# Altium PCB FPGA_SHIELD_MARK1_RA1_2.PcbDoc (part 3 of 4) (continued)
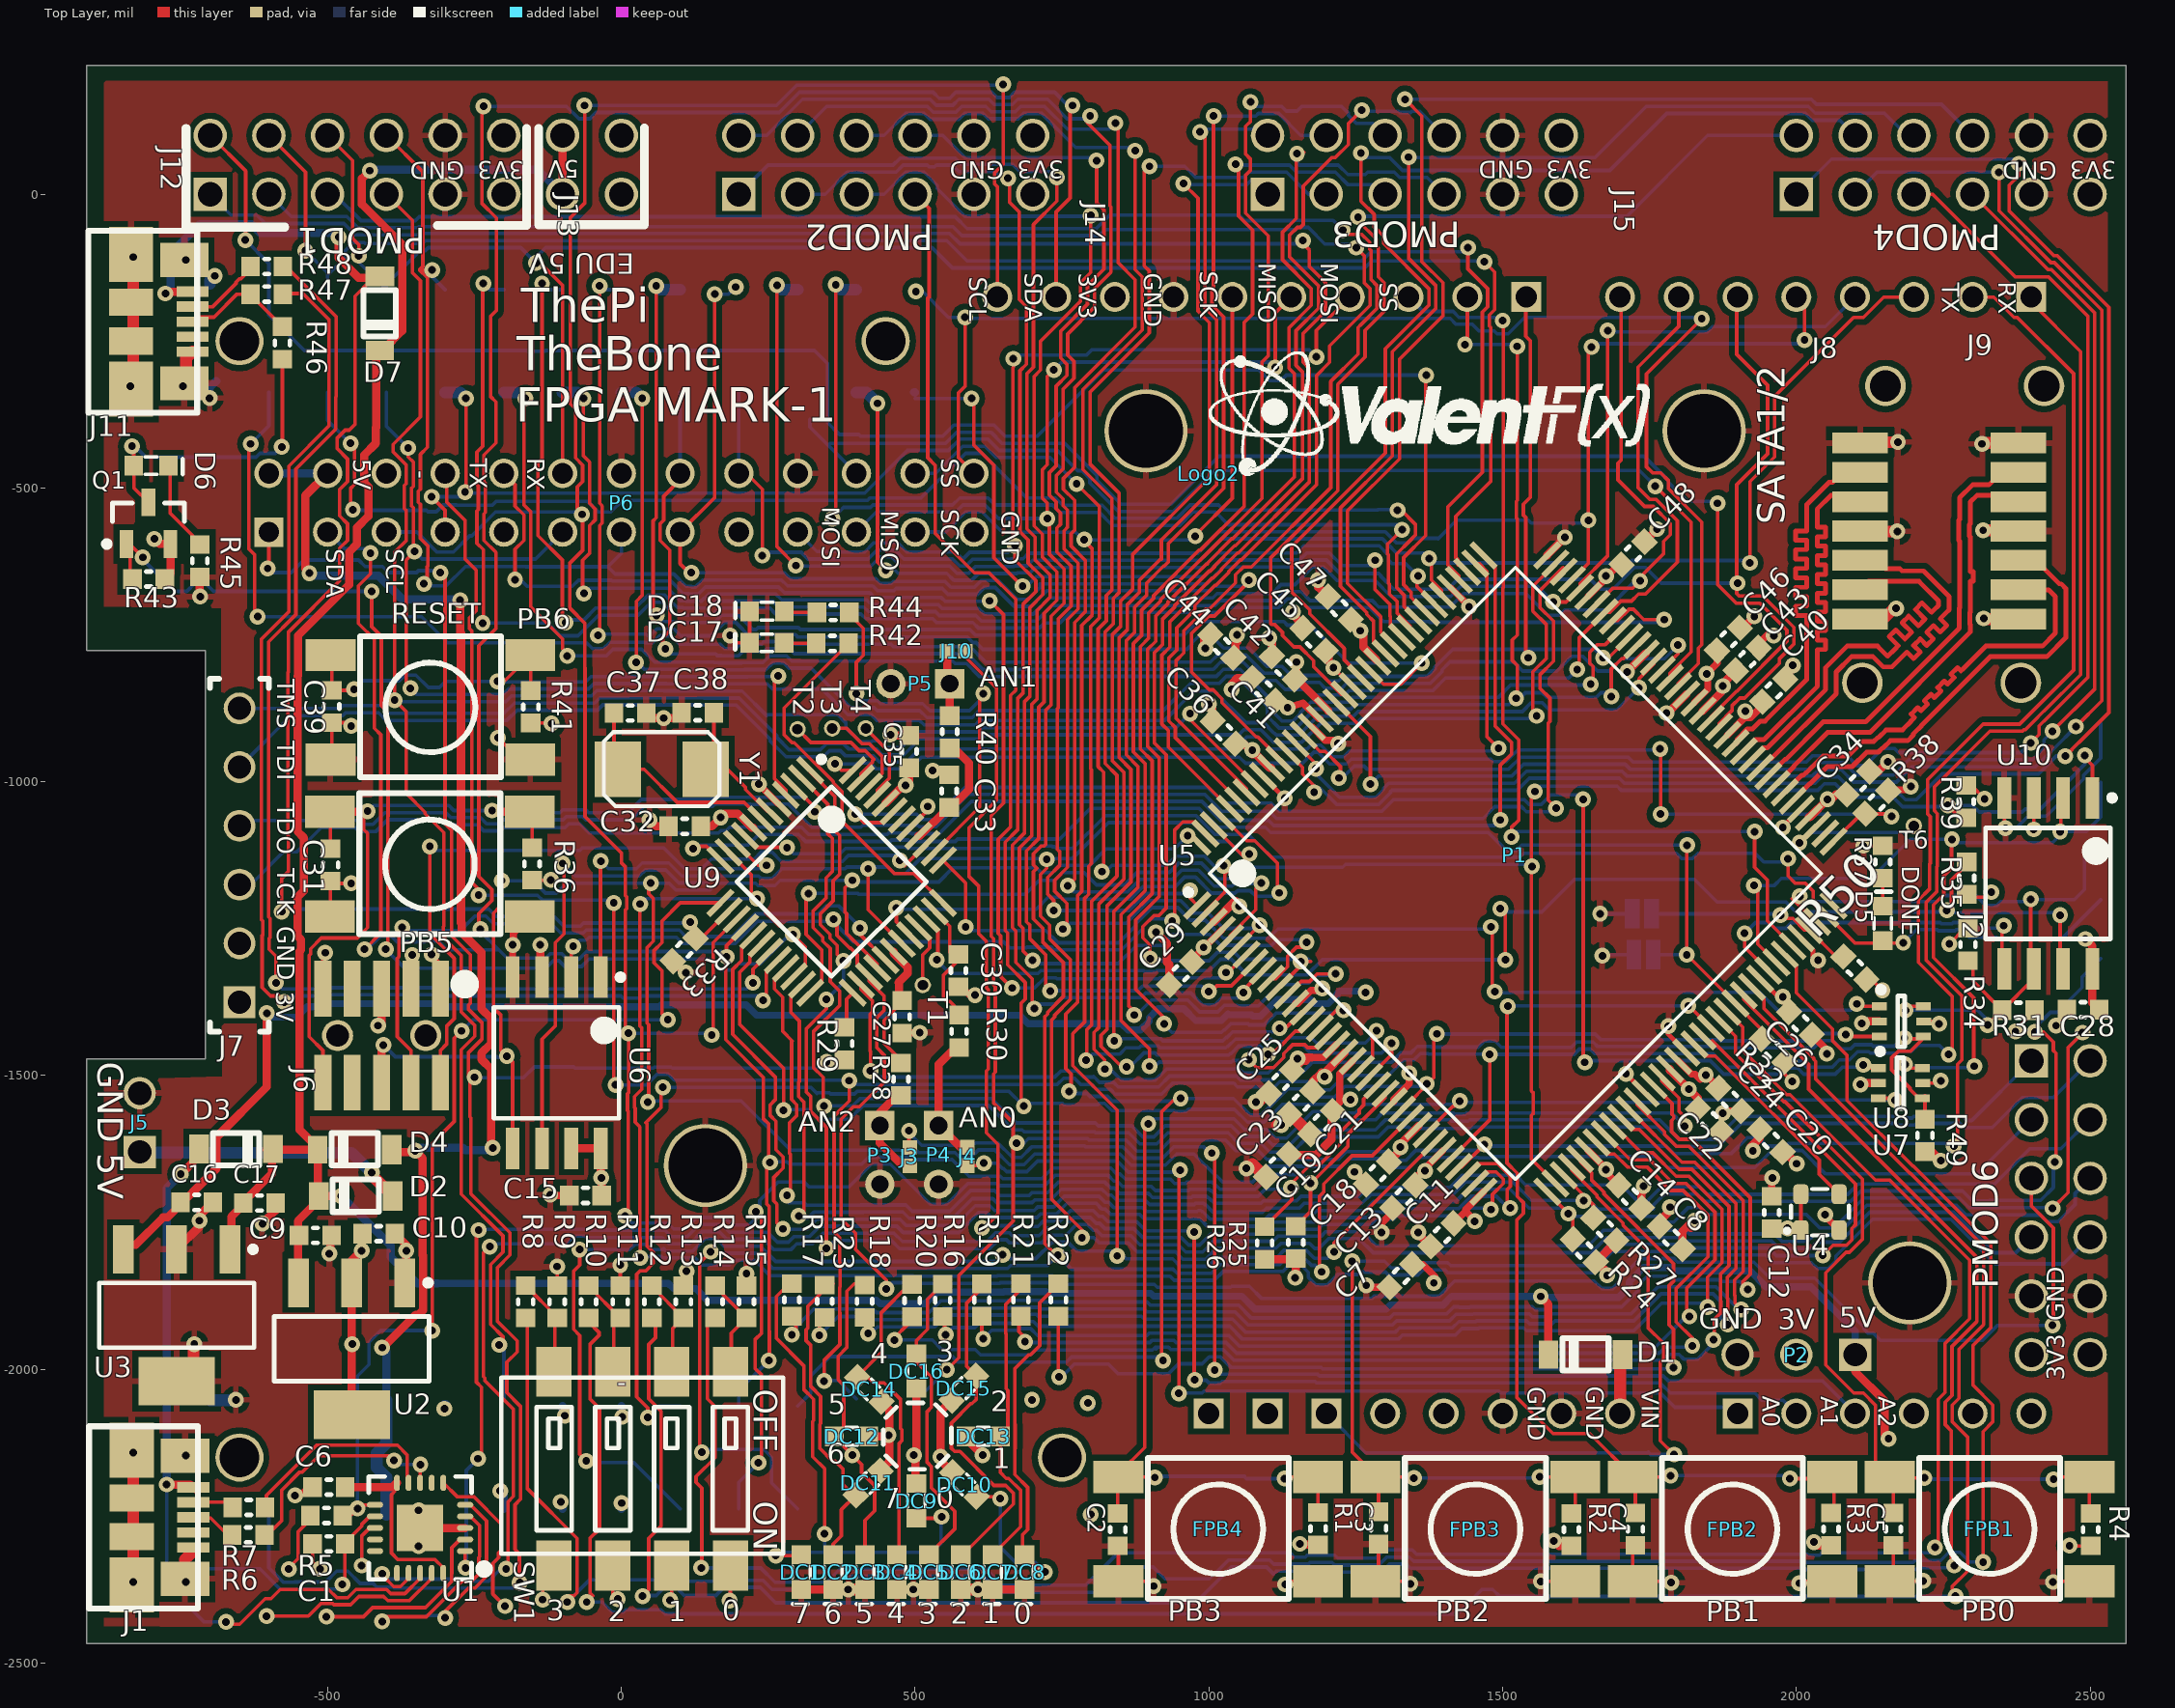
[diagram p0: Top Layer view]
## Nets (pads, with @x,y where several pads share a name; then routed paths per layer and width w, separated by ;. In a path a pad name is that pad's centre, name@x,y a point inside that pad or via, vN(x,y) a via of type N, cw(c..) or ccw(c..) an arc to the next point about the centre after c; other vN are vias at no path point) (continued)
  Bottom Layer w6: v1(537,-1303) 534,-1300 532.94,-1300 559.44,-1326.5 709.32,-1326.5 714.32,-1321.5 888.68,-1321.5 890.68,-1323.5 909.32,-1323.5 911.32,-1321.5 1000.36,-1321.5 1019.68,-1302.18 1038.32,-1302.18 1064.64,-1328.5 1167.47,-1328.5 1192.97,-1303 v1(1504.74,-1303) ; v1(1496,-1216) 1501.5,-1221.5 1567.01,-1221.5 1622.51,-1166 1826.84,-1166 1865.34,-1204.5 1982.32,-1204.5 1999.32,-1221.5 2250.5,-1221.5 v1@2256,-1216 ; v1(2256,-1219) 2259.5,-1222.5 2444.5,-1222.5 v1(2449,-1227)
NetR42_1: R42.1 U9.36 | length 620.5
  Top Layer w6: R42.1@387.02,-764.53 277,-874.54 277,-920.11 290.47,-933.58 294.45,-933.58 360.73,-999.87 360.73,-1001.66 375.5,-1016.43 375.5,-1067.01 464.68,-1156.19 497.36,-1156.19 U9.36@547.2,-1206.03
NetR49_2: R49.2 U7.4 U8.4 U9.26 | length 2263.3
  Top Layer w6: U9.26@408.01,-1345.22 408.01,-1353.37 427.45,-1372.81 427.45,-1391.77 423.06,-1396.16 423.06,-1458 424.02,-1458.97 v1@424.02,-1502.59 ; v1@424,-1502.57 v1(424,-1492) ; v1(2184,-1436) 2185.59,-1437.59 2215.35,-1437.59 2194.44,-1458.5 2173.68,-1458.5 2162.39,-1469.79 2162.39,-1490.21 2193.59,-1521.41 2193.59,-1523.62 2208.56,-1538.59 U7.4@2214.4,-1538.59 ; R49.2@2219,-1567.67 U7.4@2219,-1534.19
  Bottom Layer w6: v1@424.02,-1502.59 737.62,-1502.59 747.71,-1492.5 776.29,-1492.5 786.38,-1502.59 802.55,-1502.59 803.66,-1501.48 813.68,-1511.5 837.71,-1511.5 845.71,-1519.5 914.73,-1519.5 933.23,-1501 1047.21,-1501 1053.71,-1507.5 1106.93,-1507.5 1120.93,-1493.5 1160.32,-1493.5 1173.5,-1480.32 1173.5,-1478.32 1174.09,-1477.73 1310.48,-1477.73 1326.71,-1461.5 1344,-1461.5 1355,-1450.5 1377.65,-1450.5 1378.65,-1451.5 1458.68,-1451.5 1468.68,-1441.5 1487.32,-1441.5 1497.82,-1452 1616.66,-1452 1625.71,-1442.95 1654.29,-1442.95 1661.95,-1450.61 1863.37,-1450.61 1865.76,-1453 2030.15,-1453 2042.65,-1440.5 2062.57,-1440.5 2076.54,-1454.46 2092.62,-1454.46 2099.58,-1447.5 2128.29,-1447.5 2130.79,-1450 2167.21,-1450 2181.21,-1436 v1(2184,-1436) ; v1@424,-1502.57 v1(424,-1492)
NetT1_1: T1.1 U9.33 | length 111.2
  Top Layer w6: U9.33@505.45,-1247.78 524.89,-1267.22 524.89,-1282.83 513,-1294.72 T1.1@513,-1346
NetT2_1: T2.1 U9.47 | length 192.7
  Top Layer w6: T2.1@300,-910.58 322.6,-933.19 390.69,-933.19 404.68,-947.17 415.22,-947.17 427.45,-959.4 427.45,-959.72 429.73,-962 427.45,-964.28 427.45,-966.86 408.01,-986.3 U9.47@408.01,-994.45
NetT3_1: T3.1 U9.46 | length 165.4
  Top Layer w6: T3.1@359,-909 383.47,-909 409.65,-935.17 422.17,-935.17 444,-957 444,-986.3 U9.46@421.93,-1008.37
NetT4_1: T4.1 U9.45 | length 138.2
  Top Layer w6: T4.1@416,-909 416,-909.51 456,-949.51 456,-993.99 435.85,-1014.14 U9.45@435.85,-1022.29
NetT6_1: T6.1 U5.75 | length 249.3
  Top Layer w6: v1(2005.34,-1103.81) 2035.27,-1073.88 U5.75@2035.63,-1073.88
  Bottom Layer w6: v1(2005.34,-1103.81) 2022.65,-1086.5 2188.5,-1086.5 T6.1@2200,-1075
NetU5_64: U5.64 U10.5 | length 587.8
  Top Layer w6: v1(1912,-1258) 1912,-1281.53 U5.64@1952.11,-1321.64 ; U10.5@2350,-1288.32 v1@2350,-1245
  Bottom Layer w6: v1(1912,-1258) 1930.5,-1239.5 1953.68,-1239.5 1963.68,-1249.5 1982.32,-1249.5 1992.32,-1239.5 2244.68,-1239.5 2246.68,-1241.5 2265.32,-1241.5 2267.32,-1239.5 2286.29,-1239.5 2295.87,-1249.08 2348.92,-1249.08 v1(2353,-1245)
OSC_FPGA: U4.3 U5.55 | length 366.1
  Top Layer w6: U5.55@1826.84,-1446.92 1846.92,-1467 1862.01,-1467 1960.51,-1565.5 1961.14,-1565.5 2039,-1643.36 2039,-1668.23 U4.3@2072.75,-1701.98
PB0: C5.1 FPB1.B R4.2 U5.58 | length 1444.7
  Top Layer w6: U5.58@1868.59,-1405.16 1896.68,-1433.24 1896.68,-1462.47 1978.71,-1544.5 1980.72,-1544.5 2112.56,-1676.34 2112.56,-1778.67 2090.49,-1800.73 2084.82,-1800.73 2050.01,-1835.54 2050.01,-1992.74 2097.77,-2040.5 2114.29,-2040.5 2134.5,-2060.71 2134.5,-2158.5 FPB1.B@2159,-2183 ; C5.1@2158,-2245.44 2165,-2238.44 FPB1.B@2165,-2189 ; v1(2218,-2184.67) FPB1.B@2160.67,-2184.67 ; v1(2438,-2187) 2442,-2183 FPB1.B@2499,-2183 2499,-2243.44 R4.2@2501,-2245.44 ; FPB1.B@2159,-2183 FPB1.B@2165,-2189 ; FPB1.B@2159,-2183 FPB1.B@2160.67,-2184.67 ; FPB1.B@2160.67,-2184.67 FPB1.B@2165,-2189
  Bottom Layer w6: v1(2218,-2184.67) 2220.33,-2187 v1(2438,-2187)
PB1: C4.1 FPB2.B R3.2 U5.57 | length 1774
  Top Layer w6: v1(1509,-1382) 1507.5,-1383.5 1507.5,-1648.82 1525.07,-1666.4 1525.07,-1705.74 1535.5,-1716.17 1535.5,-1734.81 1524.03,-1746.28 1524.03,-2047.82 1585.71,-2109.5 1648.5,-2109.5 1722,-2183 1784,-2183 v1(1786,-2181) ; FPB2.B@1714,-2179 1726,-2191 C4.1@1726,-2244.44 ; v1(1816,-1381.51) 1817.11,-1381.51 U5.57@1854.67,-1419.08 ; v1(1989,-2186) 2047.67,-2186 FPB2.B@2049,-2184.67 ; R3.2@2049,-2245.44 2064,-2230.44 2064,-2196.33 FPB2.B@2050.67,-2183
  Bottom Layer w6: v1(1509,-1382) 1509.49,-1381.51 v1(1816,-1381.51) ; v1(1786,-2181) 1989,-2181 v1@1991,-2183
PB2: C3.1 FPB3.B R2.2 U5.56 | length 2175.8
  Top Layer w6: v1(1244,-1816) 1244,-2141 FPB3.B@1286,-2183 ; C3.1@1289,-2242.44 FPB3.B@1289,-2194 ; FPB3.B@1289,-2186 FPB3.B@1286,-2183 ; v1(1349,-2185) 1347,-2183 FPB3.B@1286,-2183 ; v1(1563,-2183) FPB3.B@1620,-2183 ; R2.2@1616,-2245 1623.67,-2237.33 FPB3.B@1623.67,-2183 ; 1856.91,-1441 2100.56,-1684.65 2100.56,-1753.99 2094.54,-1760.01 2094.54,-1779.71 2085.52,-1788.73 2062.27,-1788.73 v1(2045.01,-1805.99) v1@2045.01,-1804.99
  Bottom Layer w6: v1(1244,-1816) 1299.24,-1816 1310.74,-1827.5 1350.71,-1827.5 1359.71,-1818.5 1406.51,-1818.5 1411.51,-1823.5 1645.71,-1823.5 1681.71,-1787.5 1801.74,-1787.5 1807.74,-1793.5 1952.74,-1793.5 1965.74,-1806.5 v1@2045.01,-1806.5 ; v1(1349,-2185) 1561,-2185 v1(1563,-2183)
PB3: C2.1 FPB4.B R1.2 U5.51 | length 2150.3
  Top Layer w6: FPB4.B@843,-2191 845,-2193 C2.1@845,-2245.44 ; FPB4.B@846,-2183 v1@906,-2183 ; FPB4.B@847,-2177 891,-2133 v1@891,-1581 ; v1@891,-1582 v1@891,-1581 ; v1@891.5,-1580.5 v1@891,-1581 ; v1(1129,-2186) 1132,-2183 FPB4.B@1186,-2183 ; FPB4.B@1185,-2172 1186,-2173 FPB4.B@1186,-2183 ; R1.2@1186,-2243.44 FPB4.B@1186,-2183 ; U5.51@1771.16,-1502.59 1771.16,-1509.07 1800.55,-1538.46 1800.55,-1560.94 1810,-1570.39 v1(1810,-1586)
  Bottom Layer w6: v1@897,-1573.5 1042.74,-1573.5 1060.74,-1591.5 1098.68,-1591.5 1113.68,-1606.5 1132.32,-1606.5 1177.32,-1561.5 1212.71,-1561.5 1226.71,-1575.5 1283.47,-1575.5 1295.47,-1563.5 1415.37,-1563.5 1417.68,-1565.81 1436.32,-1565.81 1438.63,-1563.5 1787.5,-1563.5 v1(1810,-1586) ; v1@908,-2182 1061,-2182 ; 1061,-2183 1064,-2186 v1(1129,-2186)
  other v1: 908,-2184 897,-1582
PMOD1_1: J12.1 U5.140 | length 3059.2
  Top Layer w6: U5.140@1036.21,-1046.04 931,-940.82 931,-912.76 920,-901.76 920,-784.26 933.5,-770.76 933.5,-727.84 964.45,-696.88 964.45,-694.39 1005.35,-653.5 1007.2,-653.5 1021.5,-639.2 1021.5,-637.74 1048.74,-610.5 1050.2,-610.5 1171.23,-489.47 1171.23,-297.05 1160.5,-286.32 1160.5,-237.23 1198.5,-199.23 1198.5,-150.77 1171.23,-123.5 1171.23,-95.23 1160,-84 v1(1160,-79)
  Bottom Layer w6: J12.1@-700,0 -664.5,-35.5 -620.87,-35.5 -606.37,-50 -472.18,-50 -453.18,-69 -340.67,-69 -338.67,-67 558.97,-67 576.47,-84.5 1159.5,-84.5 1160,-84 v1(1160,-79)
PMOD1_2: J12.2 U5.139 | length 3045.5
  Top Layer w6: U5.139@1050.13,-1032.12 943,-924.99 943,-907.79 932,-896.79 932,-789.23 945.5,-775.73 945.5,-738.19 976.45,-707.24 976.45,-699.36 1010.32,-665.5 1012.17,-665.5 1033.5,-644.17 1033.5,-642.71 1053.71,-622.5 1055.17,-622.5 1183.23,-494.44 1183.23,-308.59 1205.5,-286.32 1205.5,-258.29 1274.5,-189.29 1274.5,-160.71 1264.4,-150.6 1264.4,-104.4 v1(1251,-91)
  Bottom Layer w6: J12.2@-600,0 -562,-38 -467.21,-38 -448.21,-57 -345.64,-57 -343.64,-55 563.94,-55 579.44,-70.5 813.29,-70.5 823.79,-60 1147.18,-60 1150.68,-56.5 1169.32,-56.5 1197.49,-84.67 1244.67,-84.67 v1(1251,-91)
PMOD1_3: J12.3 U5.138 | length 2977.5
  Top Layer w6: U5.138@1064.05,-1018.2 1064.05,-1011.87 944,-891.82 944,-794.2 957.5,-780.7 957.5,-743.17 994.74,-705.92 1001.08,-705.92 1045.5,-661.5 1045.5,-647.68 1058.68,-634.5 1072.5,-634.5 1207.5,-499.5 1207.5,-318.71 1254,-272.21 1254,-227.06 1259.26,-221.8 1259.26,-221.5 1286.5,-194.26 1286.5,-155.74 1276.4,-145.63 1276.4,-96.55 1273.5,-93.65 1273.5,-81.68 1260.32,-68.5 1235.5,-68.5 v1(1228,-61)
  Bottom Layer w6: J12.3@-500,0 -488.24,0 -443.24,-45 -350.61,-45 -344.11,-38.5 568.5,-38.5 588.5,-58.5 808.32,-58.5 831.32,-35.5 1051.32,-35.5 1060.82,-45 1145.21,-45 1145.71,-44.5 1211.5,-44.5 v1(1228,-61)
PMOD2_1: J13.1 U5.10 | length 2570.7
  Top Layer w6: v1(700,-1304) 683.5,-1287.5 683.5,-1249.23 677.5,-1243.23 677.5,-1112.74 698.5,-1091.74 698.5,-868.17 707.5,-859.17 707.5,-708.26 729.5,-686.26 729.5,-647.74 704.5,-622.74 704.5,-583.71 690.5,-569.71 690.5,-305.29 701.5,-294.29 701.5,-51.72 741.45,-11.78 v1(741.45,28.74) ; U5.10@1105.81,-1335.56 1113.26,-1335.56 1133.89,-1314.93 1133.89,-1296.68 1149.15,-1281.43 v1@1158.75,-1281.43
  Bottom Layer w6: J13.1@200,0 249.5,49.5 462.53,49.5 474.53,61.5 568.5,61.5 579.5,50.5 666.32,50.5 678.32,38.5 731.69,38.5 v1(741.45,28.74) ; v1(700,-1304) 705.5,-1309.5 845.68,-1309.5 876.68,-1278.5 919.32,-1278.5 938.34,-1259.48 1000.97,-1259.48 1019.66,-1278.18 1048.26,-1278.18 1048.58,-1278.5 1106.68,-1278.5 1116.68,-1268.5 1161.92,-1268.5 v1(1166.42,-1273)
PMOD2_2: J13.2 U5.9 | length 2323.9
  Top Layer w6: v1(658,27) v1@661,30 ; v1@661,27 v1@661,30 ; v1(703,-1386) 699.5,-1382.5 699.5,-1335.32 671.5,-1307.32 671.5,-1254.2 665.5,-1248.2 665.5,-1107.77 686.5,-1086.77 686.5,-863.2 695.5,-854.2 695.5,-703.29 717.5,-681.29 717.5,-652.71 692.5,-627.71 692.5,-588.68 678.5,-574.68 678.5,-300.32 689.5,-289.32 689.5,-191.5 677,-179 677,-30.03 661,-14.03 v1@661,30 ; v1(1059,-1359) 1059,-1354.53 U5.9@1091.89,-1321.64
  Bottom Layer w6: J13.2@300,0 346.97,0 384.47,37.5 467.5,37.5 479.5,49.5 520.5,49.5 523.52,46.49 533.46,46.49 536.47,49.5 563.53,49.5 574.53,38.5 636,38.5 644.5,30 661,30 v1(658,27) ; v1(703,-1386) 710.5,-1378.5 739.32,-1378.5 750.32,-1367.5 884.25,-1367.5 892.25,-1359.5 969.2,-1359.5 989.2,-1379.5 1010.37,-1379.5 1021.48,-1368.39 1049.61,-1368.39 v1(1059,-1359)
PMOD2_3: J13.3 U5.8 | length 2291.3
  Top Layer w6: v1(730,-1356) 722.5,-1348.5 722.5,-1294.68 695.5,-1267.68 695.5,-1244.26 689.5,-1238.26 689.5,-1147.8 690.25,-1147.04 689.5,-1146.29 689.5,-1117.71 710.5,-1096.71 710.5,-873.14 719.5,-864.14 719.5,-713.23 741.5,-691.23 741.5,-642.77 716.5,-617.77 716.5,-578.74 702.5,-564.74 702.5,-310.26 713.5,-299.26 713.5,-250.29 781.5,-182.29 781.5,-150.77 799,-133.27 v1(799,-36) ; v1@1006,-1357 v1@1006,-1354.89 ; U5.8@1077.97,-1307.72 1077.78,-1307.72 1038.32,-1347.18 1013.71,-1347.18 v1@1006,-1354.89 ; v1@1006,-1365 v1@1007,-1364 ; v1@1006,-1365 v1@1006,-1354.89 ; v1@1006,-1365 v1@1006,-1363 ; v1@1006,-1365 v1@1007,-1364 ; v1@1006,-1363 v1@1007,-1364 ; v1@1006,-1363 v1(1000,-1357) v1@1007,-1364
  Bottom Layer w6: J13.3@400,0 446.97,0 484.47,37.5 515.53,37.5 537.5,15.53 537.5,9.47 584.47,-37.5 797.5,-37.5 v1(799,-36) ; v1(730,-1356) 730.5,-1355.5 879.28,-1355.5 887.28,-1347.5 987.18,-1347.5 995.18,-1355.5 996.5,-1355.5 1006,-1365 1007,-1364 v1(1000,-1357)
PMOD2_4: J13.4 U5.7 | length 1885.2
  Top Layer w6: J13.4@500,0 523.88,-23.88 523.88,-174.87 521.55,-177.2 521.55,-448.47 534,-460.92 534,-577.18 601,-644.18 626,-644.18 671.5,-689.68 671.5,-844.26 662.5,-853.26 662.5,-1076.83 641.5,-1097.83 641.5,-1258.14 645.5,-1262.14 645.5,-1331.5 v1(665,-1351) ; v1(1029,-1324.68) 1033.17,-1324.68 U5.7@1064.05,-1293.8
  Bottom Layer w6: v1(665,-1351) 703.18,-1351 720.68,-1333.5 739.32,-1333.5 741.32,-1335.5 914.29,-1335.5 916.29,-1333.5 1020.18,-1333.5 v1(1029,-1324.68)
PMOD2_7: J13.7 U5.6 | length 2565.9
  Top Layer w6: v1(751.67,-1250.67) 758.5,-1243.85 758.5,-1207.32 737.5,-1186.32 737.5,-1167.68 759.5,-1145.68 759.5,-724.14 777.5,-706.14 777.5,-627.86 753.5,-603.86 753.5,-572.71 759.5,-566.71 759.5,-537.71 752,-530.21 752,-518.79 740.5,-507.29 740.5,-478.71 752,-467.21 752,-331.79 770.51,-313.28 770.51,-284.7 759.77,-273.96 759.77,-237.96 805.5,-192.23 805.5,-160.71 833.5,-132.71 833.5,-21.71 831.5,-19.71 831.5,83.32 v1@793.5,121.32 ; U5.6@1050.13,-1279.88 1050.33,-1279.88 v1(1086.21,-1244)
  Bottom Layer w6: J13.7@200,100 246.97,100 308.47,161.5 525.71,161.5 535.71,151.5 564.29,151.5 574.29,161.5 625.47,161.5 634.47,152.5 665.53,152.5 674.53,161.5 725.68,161.5 758.68,128.5 793.5,128.5 v1(798,133) ; v1@752,-1250 761,-1241 859.24,-1241 897.98,-1202.26 951.96,-1202.26 973.2,-1223.5 998.92,-1223.5 1024.92,-1249.5 1080.71,-1249.5 v1(1086.21,-1244)
PMOD2_8: J13.8 U5.5 | length 2470.4
  Top Layer w6: v1(760,-1177) 771.5,-1165.5 771.5,-729.11 789.5,-711.11 789.5,-622.89 765.5,-598.89 765.5,-577.68 771.5,-571.68 771.5,-521.32 752.5,-502.32 752.5,-483.68 771.5,-464.68 771.5,-329.26 874.5,-226.26 874.5,-145.47 845.5,-116.47 845.5,116.5 v1(841,121) ; U5.5@1036.21,-1265.96 1036.21,-1261.79 1080,-1218 1080,-1181.82 v1(1089.32,-1172.5)
  Bottom Layer w6: J13.8@300,100 349.5,149.5 520.74,149.5 530.74,139.5 569.26,139.5 579.26,149.5 620.5,149.5 629.5,140.5 670.5,140.5 679.5,149.5 720.5,149.5 759.5,110.5 830.5,110.5 v1(841,121) ; v1(760,-1177) 770.5,-1187.5 861.83,-1187.5 883.07,-1166.26 937.95,-1166.26 953.71,-1150.5 982.29,-1150.5 1009.29,-1177.5 1039.29,-1177.5 1041.79,-1175 1042.94,-1175 1044.44,-1173.5 1060.29,-1173.5 1088.32,-1173.5 v1(1089.32,-1172.5)
PMOD2_9: J13.9 U5.2 | length 2363.3
  Top Layer w6: v1(818,-1153) 821,-1156 821,-983.56 ; v1@821,-1153 821,-983.56 ; v1(874.5,74) 874.5,-128.5 886.5,-140.5 886.5,-231.23 785.73,-332 785.73,-468.73 835,-518 835,-673.6 825.5,-683.1 825.5,-726.02 811.5,-740.02 811.5,-974.06 821,-983.56 ; U5.2@994.45,-1220.55 1027,-1188 1027,-1157 1033,-1151 v1(1025,-1143)
  Bottom Layer w6: J13.9@400,100 446.97,100 484.47,137.5 515.53,137.5 525.53,127.5 574.47,127.5 584.47,137.5 615.53,137.5 624.53,128.5 675.47,128.5 684.47,137.5 715.53,137.5 773.53,79.5 869,79.5 v1(874.5,74) ; v1(818,-1153) 821,-1156 834.74,-1142.26 928.01,-1142.26 943.77,-1126.5 992.23,-1126.5 1016.73,-1151 1033,-1151 v1(1025,-1143)
PMOD2_10: J13.10 U5.1 | length 1976.9
  Top Layer w6: v1(736,-1219) 736,-1201.79 725.5,-1191.29 725.5,-1162.71 746.5,-1141.71 746.5,-1119.68 742,-1115.18 742,-875.58 743.5,-874.08 743.5,-723.17 765.5,-701.17 765.5,-632.83 741.5,-608.83 741.5,-567.74 747.5,-561.74 747.5,-542.68 740,-535.18 740,-523.76 728.5,-512.26 728.5,-473.74 740,-462.24 740,-326.82 758.51,-308.31 758.51,-289.67 747.77,-278.93 747.77,-232.99 793.5,-187.26 793.5,-155.74 821.5,-127.74 821.5,-26.68 809,-14.18 v1(809,57) ; v1(968,-1185) 968,-1197.75 U5.1@980.53,-1210.29
  Bottom Layer w6: J13.10@500,100 546.97,100 584.47,62.5 803.5,62.5 v1(809,57) ; v1(736,-1219) 864.27,-1219 893.01,-1190.26 962.74,-1190.26 v1(968,-1185)
PMOD3_1: J14.1 U5.22 | length 2406
  Top Layer w6: v1(823,-1489) 822.5,-1488.5 822.5,-1473.29 804.5,-1455.29 804.5,-1426.71 812.5,-1418.71 812.5,-1208.53 855.5,-1165.53 855.5,-984.12 835.5,-964.12 835.5,-749.97 849.5,-735.97 849.5,-693.04 870,-672.54 870,-613.56 1001.08,-482.48 1001.08,-218.81 981.5,-199.23 981.5,-6.82 v1(956.68,18) ; U5.22@1272.84,-1502.59 1311,-1464.43 v1(1311,-1445)
  Bottom Layer w6: v1(823,-1489) 832.18,-1489 850.68,-1507.5 908.59,-1507.5 915.67,-1500.41 ; 916.26,-1501 928.26,-1489 1043.7,-1489 1046.2,-1486.5 1049.68,-1486.5 1058.68,-1495.5 1101.11,-1495.5 1127.5,-1469.11 1127.5,-1462.68 1142.68,-1447.5 1159.32,-1447.5 1172.32,-1460.5 1206.02,-1460.5 1207.52,-1462 1294,-1462 v1(1311,-1445) ; v1@956.86,16.32 1064.61,16.32 1073.29,25 1075,25 J14.1@1100,0
PMOD3_2: J14.2 U5.21 | length 2621.7
  Top Layer w6: v1(791,-1474) 792.5,-1472.5 792.5,-1421.74 800.5,-1413.74 800.5,-1203.56 843.5,-1160.56 843.5,-989.09 823.5,-969.09 823.5,-745 837.5,-731 837.5,-688.07 847,-678.57 847,-508.5 797.73,-459.23 797.73,-336.97 898.5,-236.2 898.5,-130.56 890,-122.06 890,38.5 v1(899,47.5) ; U5.21@1258.92,-1488.67 U5.21@1278.36,-1469.23 ; v1(1285.42,-1423.91) 1284.8,-1424.53 1284.8,-1431.29 1278,-1438.09 ; 1278,-1438.09 1278,-1433 v1@1278.36,-1433.36 ; 1278,-1438.09 1278.36,-1437.72 ; U5.21@1278.36,-1469.23 v1@1278.36,-1433.36 ; U5.21@1278.36,-1469.23 1278.36,-1437.72 ; 1278.36,-1437.72 v1@1278.36,-1433.36
  Bottom Layer w6: v1(791,-1474) 801.5,-1463.5 848.32,-1463.5 858.82,-1453 881.21,-1453 884.71,-1449.5 913.29,-1449.5 916.79,-1453 1028.79,-1453 1031.29,-1450.5 1032.71,-1450.5 1045.35,-1437.86 1106.04,-1437.86 1109.47,-1441.29 1110.32,-1441.29 1111.11,-1442.07 1129.74,-1442.07 1136.32,-1435.5 1174.48,-1435.5 1183.47,-1444.49 1266.51,-1444.49 1278,-1433 1278,-1438.09 1284.8,-1431.29 1284.8,-1424.53 v1(1285.42,-1423.91) ; v1(899,47.5) 959,47.5 978.18,28.32 1058.59,28.32 1067.77,37.5 1132.23,37.5 1169.73,0 J14.2@1200,0
PMOD3_3: J14.3 U5.17 | length 2309.6
  Top Layer w6: v1(899,-1484) 899,-1454.82 850.5,-1406.32 850.5,-1226.2 891.5,-1185.2 891.5,-969.21 871.5,-949.21 871.5,-764.88 885.5,-750.88 885.5,-707.96 906,-687.46 906,-683.38 983.88,-605.5 985.86,-605.5 1060,-531.36 1060,-218.29 1074.5,-203.79 1074.5,-61.2 1050.5,-37.2 1050.5,45.81 v1(1045.49,50.82) ; v1(1068,-1473) 1081.56,-1486.56 1110.05,-1486.56 1123.23,-1473.38 1127.5,-1469.11 1127.5,-1462.68 1142.68,-1447.5 1163.26,-1447.5 1168.2,-1452.44 1183.8,-1452.44 U5.17@1203.25,-1433
  Bottom Layer w6: v1(899,-1484) 908.55,-1484 915.55,-1477 1038.73,-1477 1041.23,-1474.5 1057.5,-1474.5 1068,-1464 v1(1068,-1473) ; v1@1045.49,49.5 1137.2,49.5 1149.2,37.5 1215.53,37.5 1237.03,16 1284,16 J14.3@1300,0
PMOD3_4: J14.4 U5.16 | length 2373.6
  Top Layer w6: v1(924,-1412) 924,-1402 875.5,-1353.5 875.5,-1235.14 915.5,-1195.14 915.5,-959.27 895.5,-939.27 895.5,-774.82 909.5,-760.82 909.5,-717.9 930,-697.4 930,-694.91 995.41,-629.5 997.26,-629.5 997.5,-629.26 997.5,-627.8 1038.8,-586.5 1040.26,-586.5 1145.5,-481.26 1145.5,-305.26 1136.5,-296.26 1136.5,-227.29 1174.5,-189.29 1174.5,-160.71 1125.5,-111.71 1125.5,-64.71 1148.73,-41.48 1148.73,67.73 v1(1150,69) 1152,71 v1@1161.49,71 ; U5.16@1189.33,-1419.08 1189.33,-1416.67 1223,-1383 v1(1229,-1389)
  Bottom Layer w6: v1@922.43,-1412 936.93,-1426.5 1021.35,-1426.5 1025.35,-1422.5 1026.77,-1422.5 1037.77,-1411.5 1066.43,-1411.5 1068.79,-1413.86 1094.29,-1413.86 1114.65,-1393.5 1212.5,-1393.5 1223,-1383 v1(1229,-1389) ; v1@1142.33,61.33 1154.17,49.5 1220.5,49.5 1236.5,33.5 1266.29,33.5 1270.29,37.5 1315.53,37.5 1324.53,28.5 1371.5,28.5 J14.4@1400,0
PMOD3_7: J14.7 U5.15 | length 2226.2
  Top Layer w6: v1(860,-1485) 851.18,-1485 816.5,-1450.32 816.5,-1431.68 826.5,-1421.68 826.5,-1211.5 867.5,-1170.5 867.5,-979.15 847.5,-959.15 847.5,-754.94 861.5,-740.94 861.5,-698.01 882,-677.51 882,-656.97 917.97,-621 919.05,-621 919.26,-620.79 919.26,-588.3 1013.08,-494.48 1013.08,-213.84 993.5,-194.26 993.5,97.5 v1(985,106) ; v1@1100.73,-1463.79 v1@1100.73,-1462.27 ; U5.15@1175.41,-1405.16 1175.41,-1407.05 1157.86,-1424.6 1147.22,-1424.6 1113.82,-1458 1105,-1458 v1@1101,-1462 ; v1@1100.73,-1462.27 1100.73,-1464.06 v1(1101,-1463.79) ; v1@1100.73,-1462.27 v1@1101,-1462 ; v1(1101,-1463.79) 1101,-1461 v1@1101,-1462 ; v1(1101,-1463.79) v1@1101,-1462 ; v1(1101,-1463.79) v1@1101,-1462
  Bottom Layer w6: v1(860,-1485) 866.18,-1485 889.68,-1461.5 908.32,-1461.5 911.82,-1465 1033.76,-1465 1036.26,-1462.5 1037.68,-1462.5 1050.32,-1449.86 1087.07,-1449.86 v1(1101,-1463.79) ; v1(985,106) 989.5,110.5 1074.5,110.5 1081.5,117.5 1082.5,117.5 J14.7@1100,100
PMOD3_8: J14.8 U5.14 | length 2233.4
  Top Layer w6: v1(839,-1441) 838.5,-1440.5 838.5,-1220.5 879.5,-1179.5 879.5,-974.18 859.5,-954.18 859.5,-759.91 873.5,-745.91 873.5,-702.98 894,-682.48 894,-661.94 922.94,-633 924.02,-633 931.26,-625.76 931.26,-594.48 1025.08,-500.66 1025.08,-208.87 1005.5,-189.29 1005.5,-160.71 1008,-158.21 v1(1008,133) ; v1@1122.58,-1421.99 1128.02,-1421.99 1158.77,-1391.24 U5.14@1161.49,-1391.24
  Bottom Layer w6: v1@837.71,-1440.5 v1@839.5,-1440.5 ; v1(839,-1441) v1@839.5,-1440.5 ; v1(1008,133) 1079.97,133 1084.47,137.5 1118.71,137.5 1156.21,100 J14.8@1200,100 ; 1030.32,-1434.5 1023.82,-1441 921.76,-1441 918.26,-1437.5 842.5,-1437.5 v1@839.5,-1440.5 ; 1031.03,-1435.21 1040.38,-1425.86 1114.14,-1425.86 v1(1120.43,-1419.57)
PMOD3_9: J14.9 U5.12 | length 2446.6
  Top Layer w6: v1(873,-1397) 873,-1391.36 863.5,-1381.86 863.5,-1230.17 903.5,-1190.17 903.5,-964.24 883.5,-944.24 883.5,-769.85 897.5,-755.85 897.5,-712.93 918,-692.43 918,-689.94 990.44,-617.5 990.83,-617.5 1090.51,-517.82 1090.51,-285.67 1101,-275.18 1101,-70.73 1062.5,-32.23 1062.5,32.23 1070.5,40.23 1070.5,60.32 1062.5,68.32 1062.5,115.53 1071,124.03 v1(1071,157) ; U5.12@1133.65,-1363.4 1157.17,-1339.88 1171.3,-1339.88 1184.18,-1327 v1(1216,-1327)
  Bottom Layer w6: v1(873,-1397) 877,-1397 902.5,-1371.5 964,-1371.5 984,-1391.5 1015.34,-1391.5 1026.45,-1380.39 1048.57,-1380.39 1049.68,-1381.5 1084.22,-1381.5 1120.72,-1345 1154,-1345 ; v1(1071,157) 1078.5,149.5 1123.68,149.5 1131.68,141.5 1150.32,141.5 1158.32,149.5 1225.74,149.5 1237.82,137.42 1237.82,133.68 1251,120.5 1279.5,120.5 J14.9@1300,100 ; 1154,-1342.64 1170.3,-1342.64 1183.44,-1329.5 1213.5,-1329.5 v1(1216,-1327)
PMOD3_10: J14.10 U5.11 | length 2301.1
  Top Layer w6: v1(900,-1301) 900,-1277.82 887.5,-1265.32 887.5,-1246.68 906.68,-1227.5 915.11,-1227.5 927.5,-1215.11 927.5,-954.29 907.5,-934.29 907.5,-779.79 921.5,-765.79 921.5,-722.87 942,-702.37 942,-699.88 1000.38,-641.5 1002.23,-641.5 1009.5,-634.23 1009.5,-632.77 1043.77,-598.5 1045.23,-598.5 1159.23,-484.5 1159.23,-302.02 1148.5,-291.29 1148.5,-232.26 1186.5,-194.26 1186.5,-155.74 1137.5,-106.74 1137.5,-69.68 1150.68,-56.5 1155.68,-56.5 1160.73,-51.45 1160.73,13.76 1209.47,62.5 1215.53,62.5 1237.5,84.47 1237.5,120.18 v1(1260.32,143) ; v1@1163.21,-1306 U5.11@1119.73,-1349.48 1159.8,-1309.41 v1@1163.21,-1306 ; v1@1163.21,-1306 1173,-1306 v1(1156.39,-1306) v1@1163.21,-1306
  Bottom Layer w6: v1(900,-1301) 903.48,-1304.48 1000.41,-1304.48 1013.59,-1291.3 1014.71,-1290.18 1043.29,-1290.18 1055.29,-1302.18 1169.18,-1302.18 1173,-1306 v1(1156.39,-1306) ; v1@1260.32,141 1322.68,141 1324.68,139 1343.32,139 1345.32,141 1359,141 J14.10@1400,100
PMOD4_1: J15.1 U5.133 | length 2982.2
  Top Layer w6: U5.133@1133.65,-948.6 1133.65,-949.47 1159.7,-975.51 1159.7,-987.12 1179.18,-1006.61 v1(1179.18,-1017.82) ; v1(2379,52) 2379,32.03 2362.5,15.53 2362.5,-28.56 2438.44,-104.5 2444.14,-104.5 2532,-192.36 2532,-882.27 2481.77,-932.5 2481.68,-932.5 2458,-956.18 v1(2458,-956.27)
  Bottom Layer w6: v1(1179.18,-1017.82) 1186,-1011 1190,-1011 1217.5,-1038.5 1289.29,-1038.5 1309.5,-1018.29 1309.5,-1016.29 1311.29,-1014.5 1525.18,-1014.5 1545.68,-994 1698.65,-994 1707.15,-1002.5 2031.71,-1002.5 2042.71,-991.5 2071.29,-991.5 2094.29,-1014.5 2169.68,-1014.5 2185.68,-1030.5 2204.32,-1030.5 2248.32,-986.5 2412.26,-986.5 2442.49,-956.27 v1(2458,-956.27) ; J15.1@2000,0 2060,60 2371,60 v1(2379,52)
PMOD4_2: J15.2 U5.132 | length 2745.3
  Top Layer w6: U5.132@1147.57,-934.68 v1@1184.89,-972 ; v1(2345,37.5) 2345,-28.03 2433.47,-116.5 2439.17,-116.5 2520,-197.33 2520,-862 v1(2476,-906)
  Bottom Layer w6: v1(1182.2,-977.8) 1182.2,-986.22 1222.47,-1026.5 1284.32,-1026.5 1297.5,-1013.32 1297.5,-1011.32 1306.32,-1002.5 1520.21,-1002.5 1540.71,-982 1703.62,-982 1712.12,-990.5 2026.74,-990.5 2037.74,-979.5 2076.26,-979.5 2097.26,-1000.5 2170.68,-1000.5 2196.68,-974.5 2407.29,-974.5 2437.52,-944.27 2437.73,-944.27 v1(2476,-906) ; J15.2@2100,0 2137.5,37.5 v1(2345,37.5)
PMOD4_3: J15.3 U5.131 | length 2487.4
  Top Layer w6: U5.131@1161.49,-920.76 1189.23,-948.5 1198.32,-948.5 1224,-974.18 1224,-991 v1(1221.4,-993.6) ; J15.3@2200,0 2232,0 2372.5,-140.5 2429.23,-140.5 2496,-207.27 2496,-822.47 2426.97,-891.5 2426.68,-891.5 2413.5,-904.68 2413.5,-919.5 v1(2399,-934)
  Bottom Layer w6: v1(1221.4,-993.6) 1227.16,-993.6 1247.26,-973.5 1264.32,-973.5 1269.32,-978.5 1510.27,-978.5 1530.77,-958 1713.56,-958 1722.06,-966.5 2016.8,-966.5 2027.8,-955.5 2086.2,-955.5 2103.2,-972.5 2117.68,-972.5 2146.68,-943.5 2167.21,-943.5 2174.21,-950.5 2382.5,-950.5 v1(2399,-934)
PMOD4_4: J15.4 U5.127 | length 2427.6
  Top Layer w6: U5.127@1217.17,-865.08 1275,-922.92 v1(1275,-1004) ; J15.4@2300,0 2428.5,-128.5 2434.2,-128.5 2508,-202.3 2508,-842 v1(2436,-914)
  Bottom Layer w6: v1(1275,-1004) 1288.5,-990.5 1515.24,-990.5 1535.74,-970 1708.59,-970 1717.09,-978.5 2021.77,-978.5 2032.77,-967.5 2081.23,-967.5 2102.23,-988.5 2165.32,-988.5 2191.32,-962.5 2402.32,-962.5 2421.5,-943.32 2421.5,-928.5 v1(2436,-914)
PMOD4_7: J15.7 U5.126 | length 1785.2
  Top Layer w6: U5.126@1231.08,-851.17 1225.35,-851.17 1178.32,-804.14 1178.32,-793.92 1154.88,-770.48 1144.66,-770.48 1125.5,-751.32 1125.5,-745.68 1112.32,-732.5 1106.68,-732.5 1105.5,-731.32 1105.5,-618.47 1219.5,-504.47 1219.5,-323.68 1266,-277.18 1266,-232.03 1298.5,-199.53 1298.5,-150.77 1288.4,-140.66 1288.4,-91.58 1285.5,-88.68 1285.5,-76.71 1254,-45.21 v1(1254,-39) 1254,-38.92 v1@1258.92,-34
  Bottom Layer w6: v1@1254,-37.5 1711.5,-37.5 1849,100 J15.7@2000,100
PMOD4_8: J15.8 U5.124 | length 1995.8
  Top Layer w6: U5.124@1258.92,-823.33 1258.92,-821.1 1230.46,-792.64 1230.46,-773.06 1171.61,-714.21 1171.61,-707.65 1141,-677.04 1141,-599.94 1300.5,-440.44 1300.5,-263.29 1374.5,-189.29 1374.5,-160.71 1297.5,-83.71 1297.5,-71.74 1281.45,-55.69 1281.45,-34.48 1258.92,-11.96 v1(1258.92,70)
  Bottom Layer w6: v1(1258.92,70) 1266.42,62.5 1307.5,62.5 1329.5,40.5 1682.5,40.5 1779.5,137.5 2015.53,137.5 2027.03,126 2074,126 J15.8@2100,100
PMOD4_9: J15.9 U5.121 | length 1879.7
  Top Layer w6: U5.121@1300.68,-781.57 1280.5,-761.39 1280.5,-726.79 1268.71,-715 1268.71,-712.07 1223.94,-667.29 1223.94,-533.97 1312.5,-445.41 1312.5,-268.26 1386.5,-194.26 1386.5,-155.74 1340,-109.24 v1(1340,63)
  Bottom Layer w6: v1(1340,63) 1340.5,62.5 1657.5,62.5 1744.5,149.5 2020.5,149.5 2032,138 2150,138 2188,100 J15.9@2200,100
PMOD4_10: J15.10 U5.120 | length 2047.3
  Top Layer w6: U5.120@1314.6,-767.65 1292.5,-745.55 1292.5,-718.88 1235.94,-662.32 1235.94,-538.94 1324.5,-450.38 1324.5,-280.84 1398.5,-206.84 1398.5,-150.77 1362.5,-114.77 1362.5,133 v1(1334,161.5)
  Bottom Layer w6: v1(1334,161.5) 2025.47,161.5 2033.97,153 2247,153 J15.10@2300,100
PMOD6_1: J2.1 U9.2 | length 2893.4
  Top Layer w6: U9.2@307.79,-994.45 351.5,-1038.16 351.5,-1088.44 359.4,-1096.34 359.4,-1152.49 348.5,-1163.4 348.5,-1197.71 326.5,-1219.71 326.5,-1248.29 343,-1264.79 343,-1271.27 355.5,-1283.77 355.5,-1340.24 371.5,-1356.24 371.5,-1380.81 326.94,-1425.38 326.94,-1486.32 343.5,-1502.88 ; 343.5,-1502.88 343.5,-1552 343.5,-1502.88
  Bottom Layer w6: v1@344,-1549 346.5,-1551.5 393.8,-1551.5 406.3,-1539 630.47,-1539 671.97,-1580.5 806.91,-1580.5 811.91,-1585.5 868.68,-1585.5 887.68,-1604.5 906.32,-1604.5 925.32,-1585.5 1037.77,-1585.5 1055.77,-1603.5 1093.71,-1603.5 1108.71,-1618.5 1137.29,-1618.5 1163.29,-1592.5 1283.44,-1592.5 1300.44,-1575.5 1410.4,-1575.5 1412.71,-1577.81 1441.29,-1577.81 1443.6,-1575.5 1767.68,-1575.5 1800.68,-1608.5 1862.32,-1608.5 1901.32,-1569.5 2175.23,-1569.5 2178.18,-1572.45 2196.82,-1572.45 2199.77,-1569.5 2283.26,-1569.5 2290.26,-1576.5 2298.5,-1576.5 J2.1@2400,-1475
  other v1: 345,-1552